# Altium PCB FPGA.PcbDoc (part 1 of 2)
Units mm, origin at the board's own origin, x right, y up, seen from the top; angles counter-clockwise.
Board outline 25.5 x 25.5 mm, 6 copper layers (1 Top (Sig/Pwr), 2 (GND), 3 (Sig/Pwr), 4 (GND/Sig), 5 (GND), 6 Bottom (Sig/Pwr)), stack 1.74 mm thick; 87 components, 94 nets, 547 pads, 156 vias.
Unrouted connection lines stored in the file: 223.
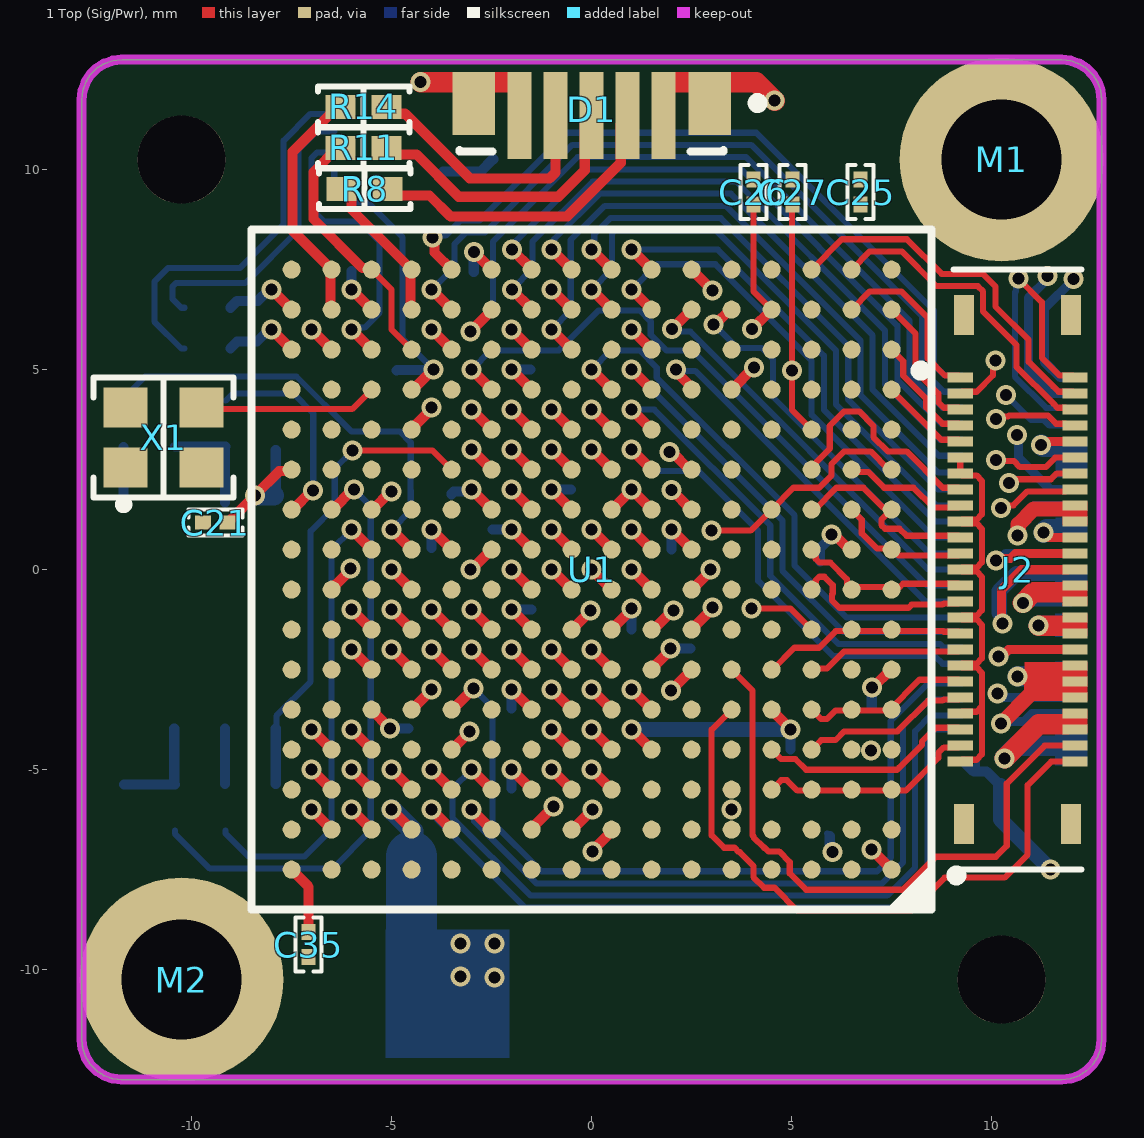
[diagram p0: 1 Top (Sig/Pwr) view]
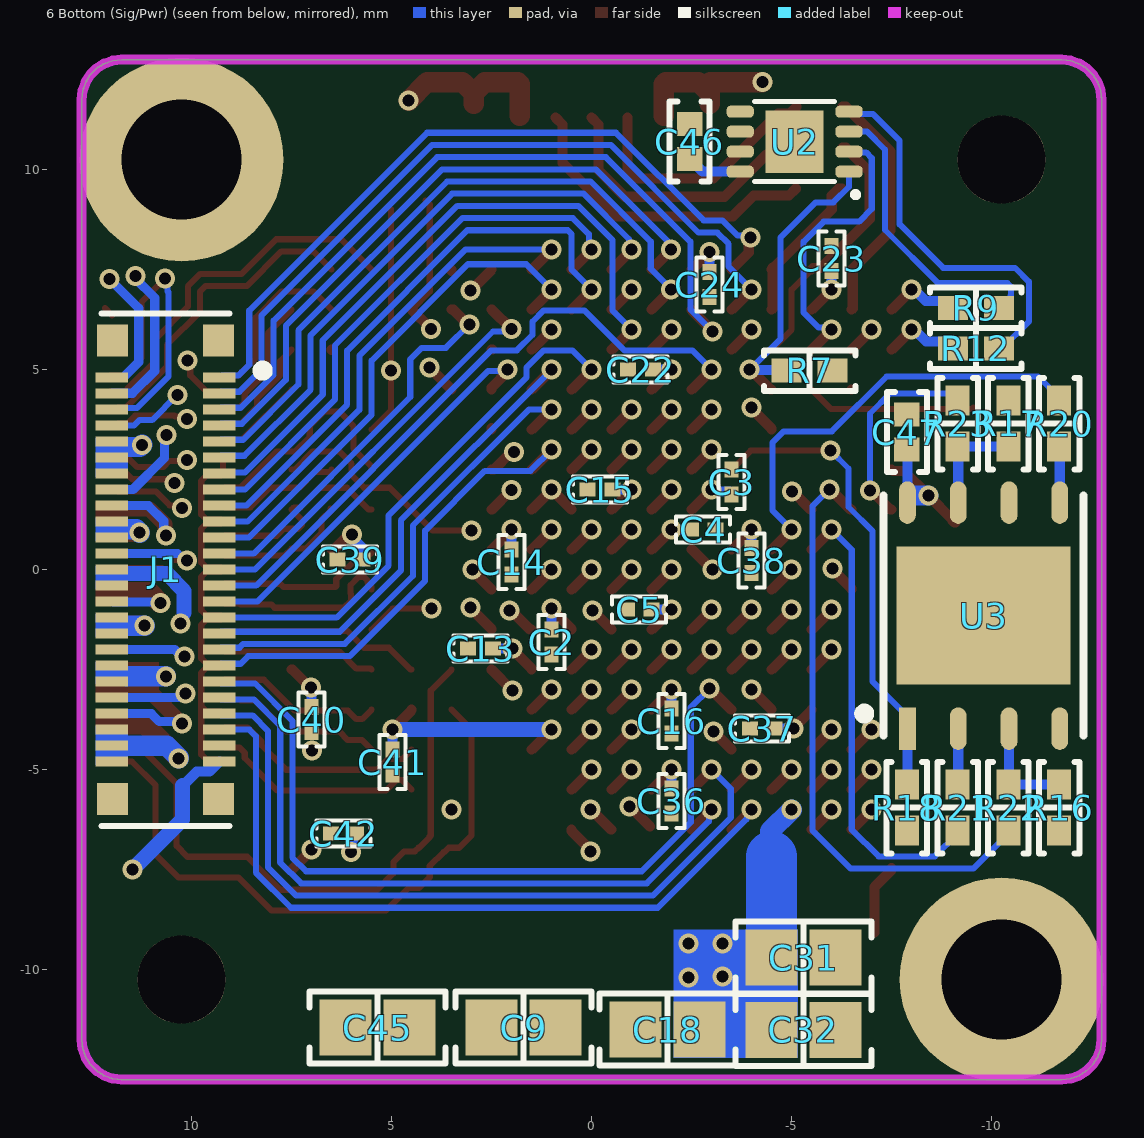
[diagram p1: 6 Bottom (Sig/Pwr) view, seen from below]
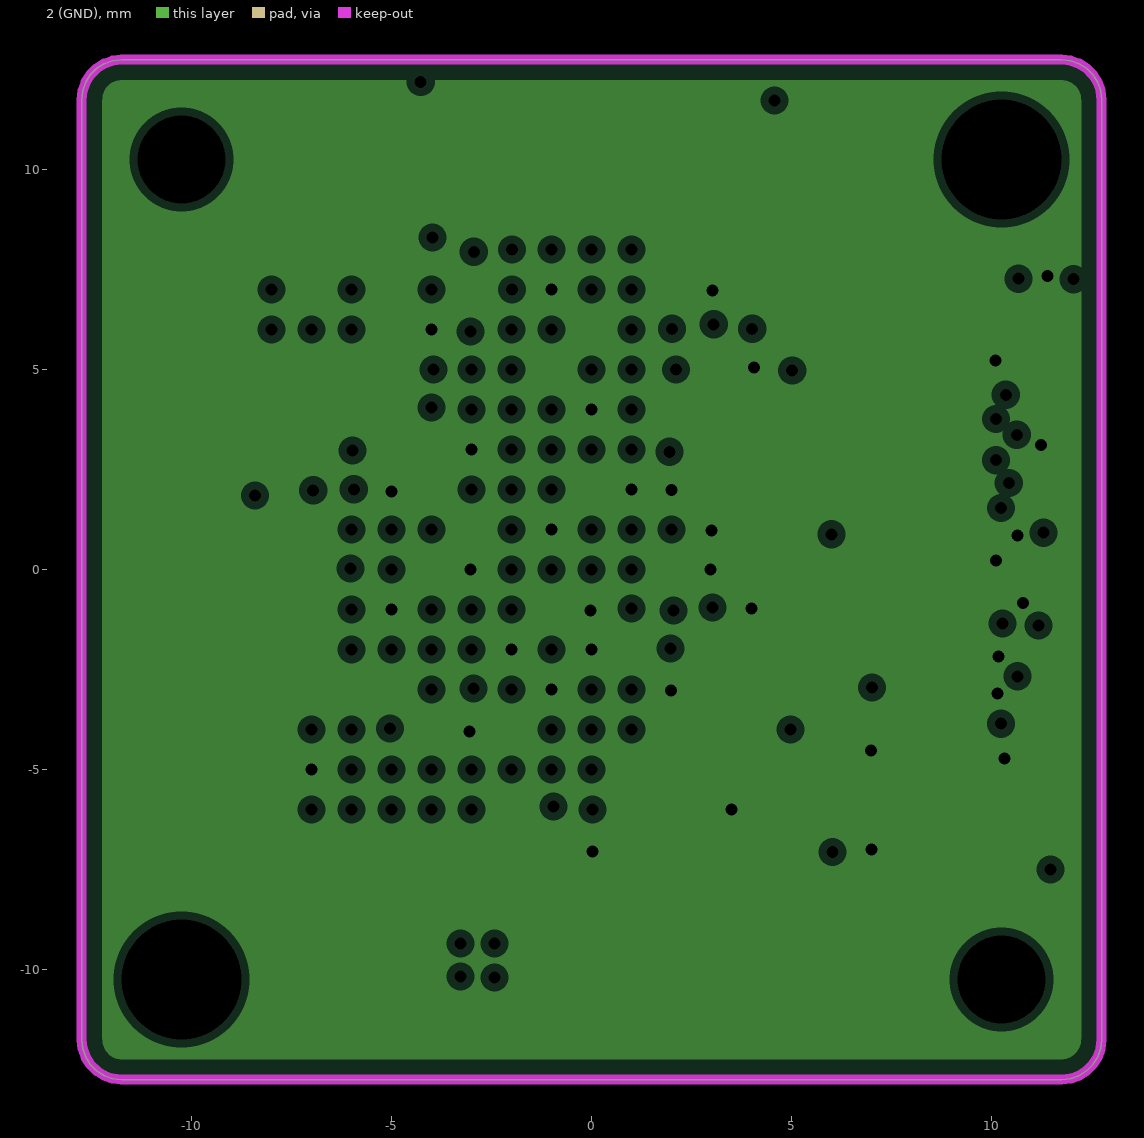
[diagram p2: 2 (GND), clearances drawn from the general rule]
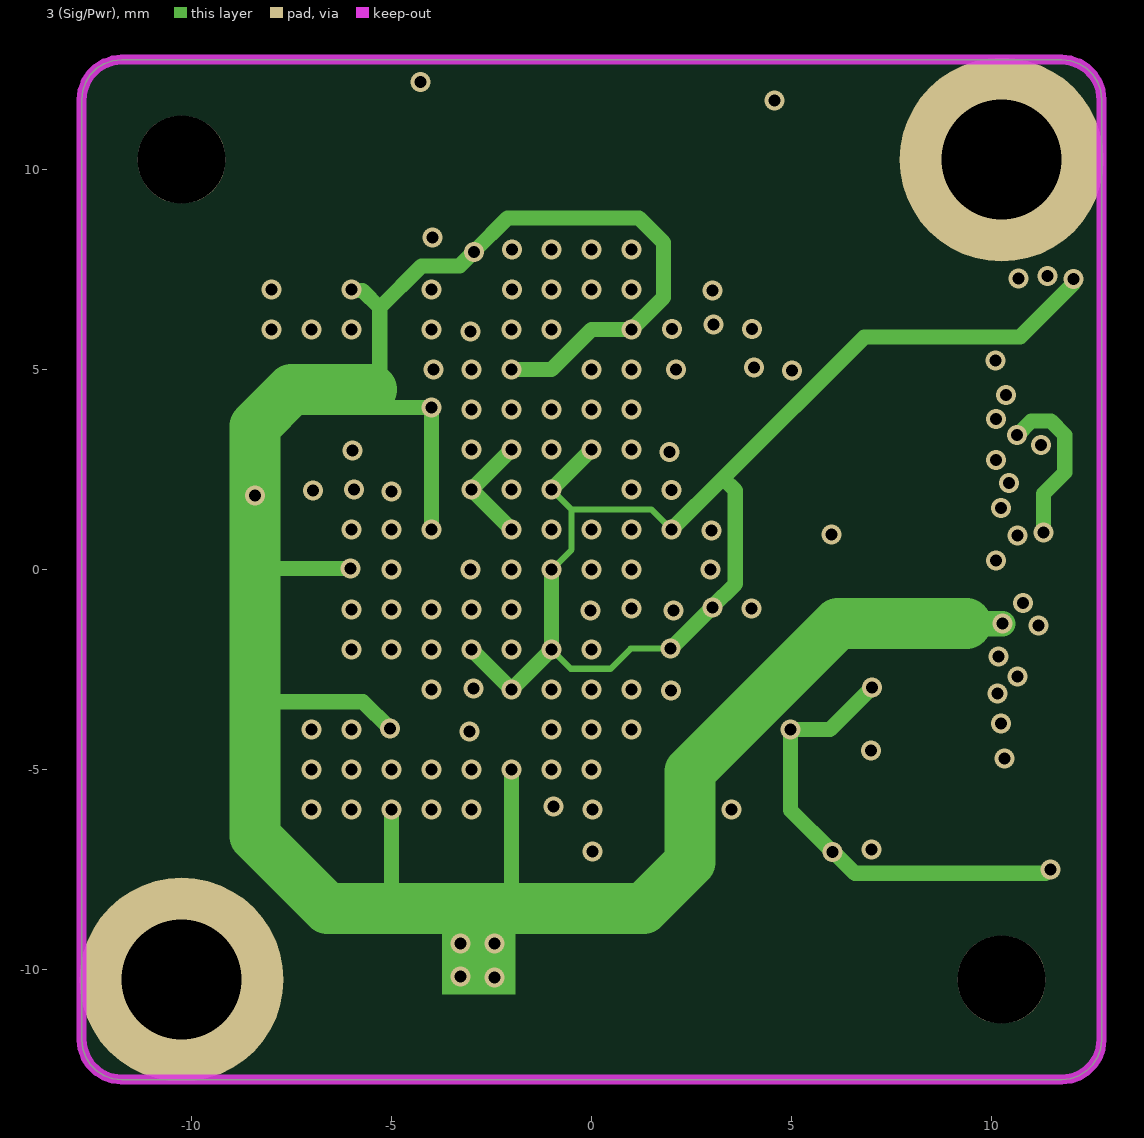
[diagram p3: 3 (Sig/Pwr)]
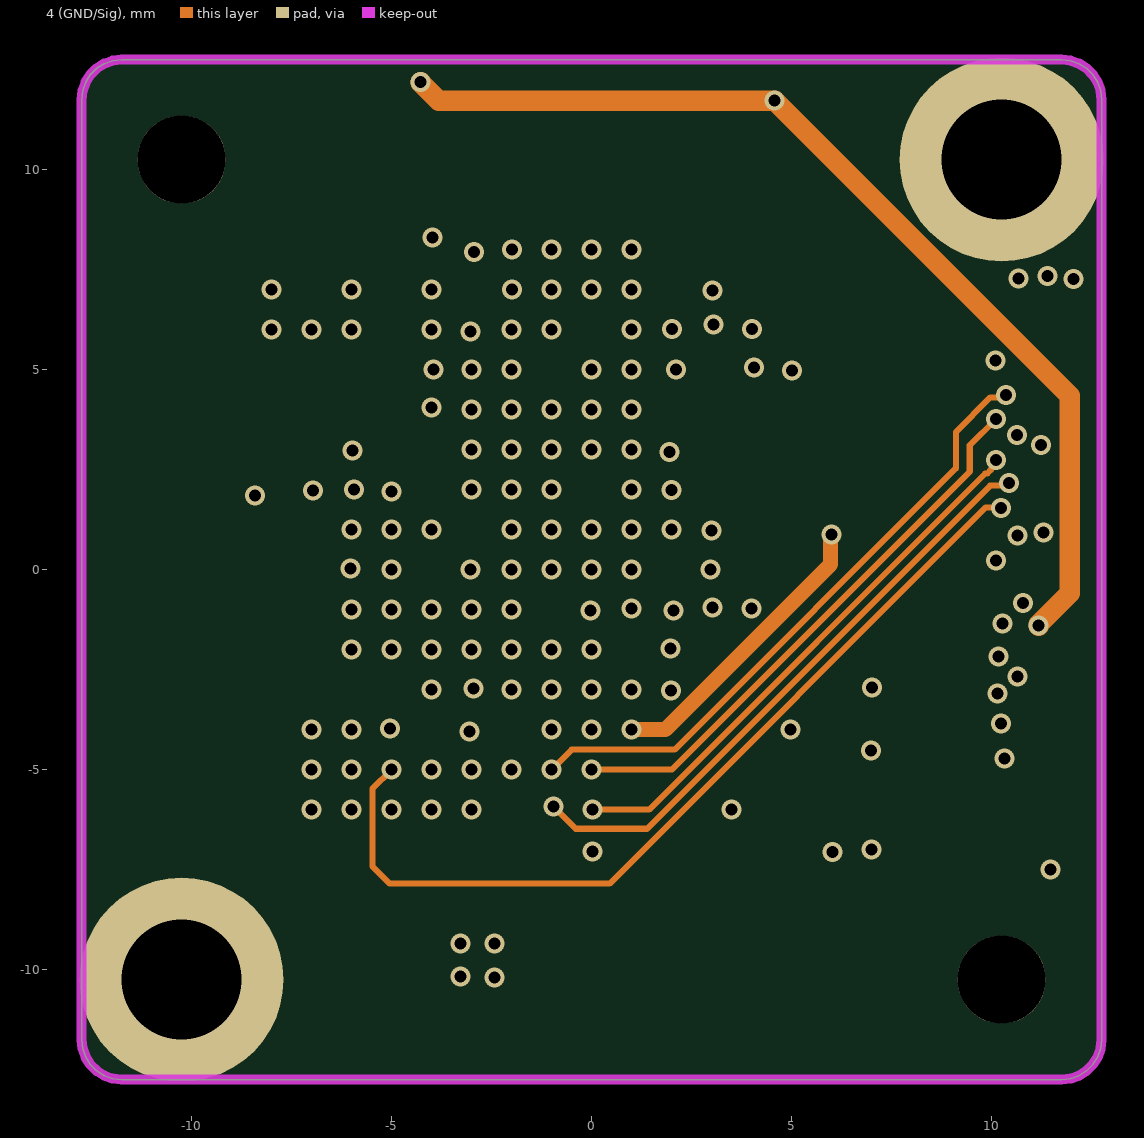
[diagram p4: 4 (GND/Sig)]
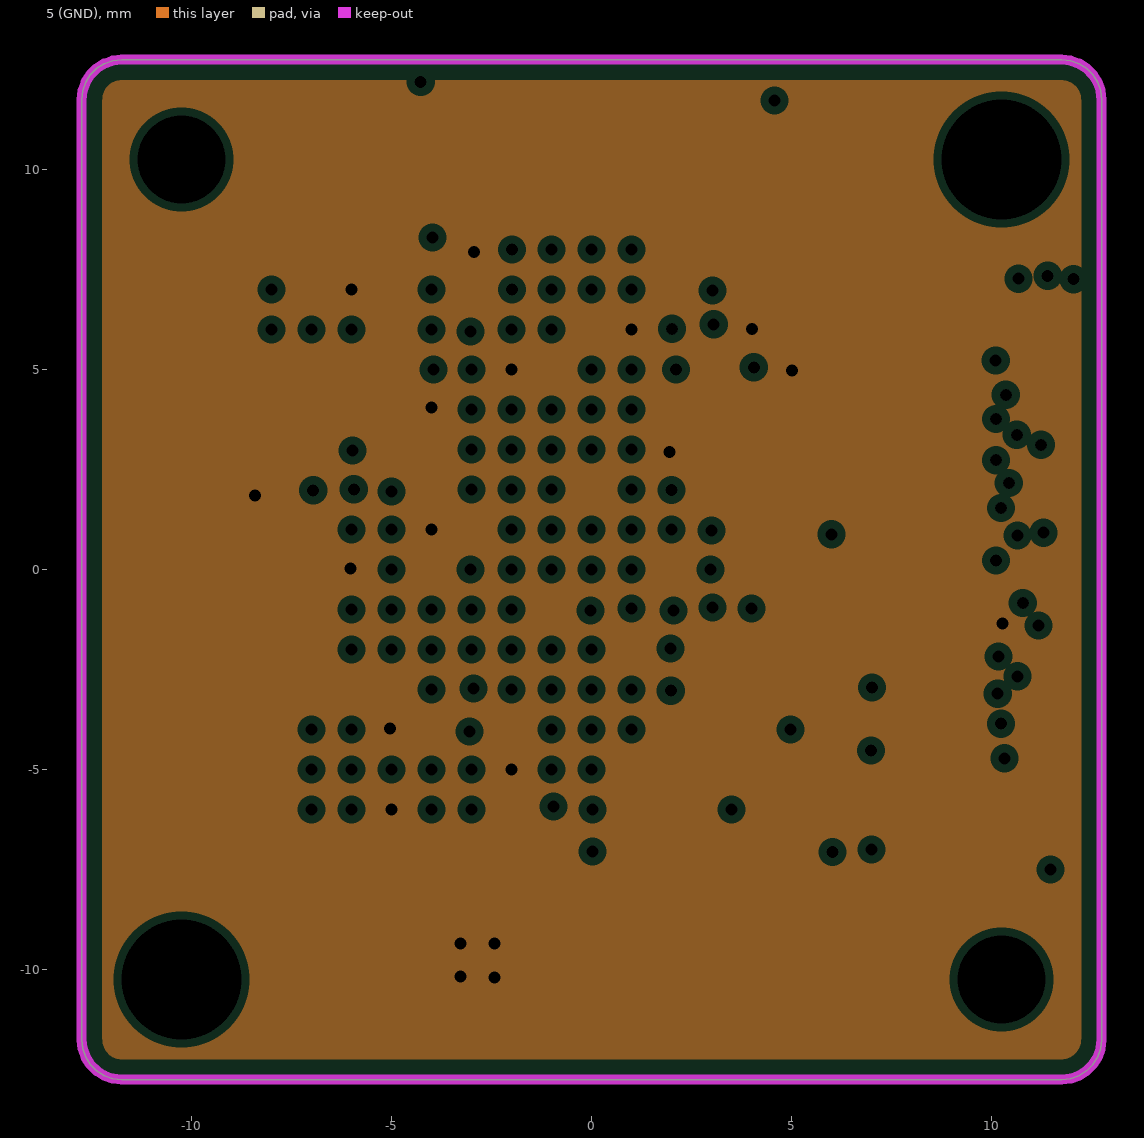
[diagram p5: 5 (GND), clearances drawn from the general rule]

## Layer stack, top to bottom
Top Solder: solder mask 0.0254, SM-001, Dk 4
1 Top (Sig/Pwr): signal copper 0.035
Dielectric 1: prepreg 0.11, PP-015, Dk 4.29
2 (GND): plane copper 0.035, net GND
Dielectric 2: core 0.6, Core-038, Dk 4.6
3 (Sig/Pwr): signal copper 0.035
Dielectric 3: prepreg 0.11, PP-015, Dk 4.29
4 (GND/Sig): signal copper 0.035
Dielectric 4: core 0.6, Core-038, Dk 4.6
5 (GND): plane copper 0.035, net +3.3
Dielectric 5: prepreg 0.11, PP-015, Dk 4.29
6 Bottom (Sig/Pwr): signal copper 0.035
Bottom Solder: solder mask 0.0254, SM-001, Dk 4

## Board outline
-12.75,-11.75 -12.725,-11.973 -12.651,-12.184 -12.532,-12.373 -12.373,-12.532 -12.184,-12.651 -11.973,-12.725 -11.75,-12.75 11.75,-12.75 11.973,-12.725 12.184,-12.651 12.373,-12.532 12.532,-12.373 12.651,-12.184 12.725,-11.973 12.75,-11.75 12.75,11.75 12.725,11.973 12.651,12.184 12.532,12.373 12.373,12.532 12.184,12.651 11.973,12.725 11.75,12.75 -11.75,12.75 -11.973,12.725 -12.184,12.651 -12.373,12.532 -12.532,12.373 -12.651,12.184 -12.725,11.973 -12.75,11.75

## Design rules (kind name [scope] priority, off if disabled: settings)
BoardOutlineClearance BoardOutlineClearance_Polygon [IsPolygon] p1: gap=0.25 ignorepadtopadclearanceinfootprint=FALSE
Clearance [All] p1: gap=0.152 ignorepadtopadclearanceinfootprint=TRUE except(0.254: SMDPad-SMDPad)
DiffPairsRouting DiffPairsRouting_CAM [All] p1: maxlimit=0.4 minlimit=0.127 mostfreqgap=0.37 toplayer_mingap=0.203 toplayer_maxgap=0.389 toplayer_minwidth=0.152 toplayer_maxwidth=0.152 toplayer_prefwidth=0.152 bottomlayer_mingap=0.203 bottomlayer_maxgap=0.389 bottomlayer_minwidth=0.152 bottomlayer_maxwidth=0.152 bottomlayer_prefwidth=0.152 impedanceprofiledriven=TRUE impedanceprofileid={367E0956-4617-40D2-A523-51326FB4A553} impedanceprofilevalue=100.000000 maxuncoupledlength=12.7
FanoutControl Fanout_BGA [IsBGA] p1: bgadir=NW bgaviamode=Centered fanoutstyle=BGA fanoutdirection=Alternating viagrid=0.025 // Fanout_BGA (Default Rule)
HoleSize [All] p1: absolutevalues=TRUE maxlimit=254 minlimit=0.3 maxpercent=80.000 minpercent=20.000
HoleToHoleClearance HoleToHoleClearance_Via [IsVia] p1: gap=0.279 allowstackedmicrovias=TRUE
HoleToHoleClearance [Not IsVia] p2: gap=0.406 allowstackedmicrovias=TRUE
MinimumSolderMaskSliver [All] p1: minsoldermaskwidth=0.102
NetAntennae [Not InNet('ENC')] p1: netantennaetolerance=0
PlaneClearance [All] p1: clearance=0.203
PlaneConnect PlaneConnect_Thru [IsThruPin] p1: planeconnectstyle=Relief reliefexpansion=0.254 reliefentries=4 reliefconductorwidth=0.508 reliefairgap=0.254
PlaneConnect [All] p2: planeconnectstyle=Direct reliefexpansion=0.508 reliefentries=4 reliefconductorwidth=0.254 reliefairgap=0.254
PolygonConnect PolygonConnect_Thru [IsThruPin] p1: connectstyle=Relief reliefconductorwidth=0.508 reliefentries=4 polygonreliefangle="45 Angle" airgapwidth=0.254
PolygonConnect [All] p2: connectstyle=Direct reliefconductorwidth=0.254 reliefentries=4 polygonreliefangle="90 Angle" airgapwidth=0.254
RoutingVias [All] p1: holewidth=0.3 width=0.6 viastyle="Through Hole" minholewidth=0.15 minwidth=0.3 maxholewidth=1 maxwidth=2
SignalStimulus "Schematic Signal Stimulus" [InDifferentialPairClass('CAM_CLKIN')] p1: kind=1 level=1 starttime=0.000 stoptime=1.389n periodtime=2.778n
SignalStimulus "Schematic Signal Stimulus_11" [InDifferentialPairClass('CAM_DOUT0')] p2: kind=1 level=1 starttime=0.000 stoptime=1.389n periodtime=2.778n
SignalStimulus "Schematic Signal Stimulus_10" [InDifferentialPairClass('CAM_DOUT3')] p3: kind=1 level=1 starttime=0.000 stoptime=1.389n periodtime=2.778n
SignalStimulus "Schematic Signal Stimulus_9" [InDifferentialPairClass('CAM_DOUT1')] p4: kind=1 level=1 starttime=0.000 stoptime=1.389n periodtime=2.778n
SignalStimulus "Schematic Signal Stimulus_8" [InDifferentialPairClass('CAM_SYNC')] p5: kind=1 level=1 starttime=0.000 stoptime=1.389n periodtime=2.778n
SignalStimulus "Schematic Signal Stimulus_7" [InDifferentialPairClass('CAM_CLKOUT')] p6: kind=1 level=1 starttime=0.000 stoptime=1.389n periodtime=2.778n
SignalStimulus "Schematic Signal Stimulus_6" [InDifferentialPairClass('CAM_DOUT2')] p7: kind=1 level=1 starttime=0.000 stoptime=1.389n periodtime=2.778n
SilkToSilkClearance [All] p1: silktosilkclearance=0
SilkToSolderMaskClearance [IsPad] p1: minsilkscreentomaskgap=0.1 clearancetoexposedcopper=TRUE
SolderMaskExpansion SolderMaskExpansion_Via [Isvia] p1: expansion=0.051 istentingtop=TRUE
SolderMaskExpansion [Not Isvia] p2: expansion=0.051 istentingtop=FALSE
UnRoutedNet [Not InNet('ENC')] p1:
Width [All] p1: maxlimit=2.54 minlimit=0.152 preferedwidth=0.254
19 further rules are at their usual default settings.

## Classes and differential pairs
differential pair class CAM_CLKOUT: CAM_CLKOUT
differential pair class CAM_CLKIN: CAM_CLKIN
differential pair class CAM_SYNC: CAM_SYNC
differential pair class CAM_DOUT3: CAM_DOUT3
differential pair class CAM_DOUT2: CAM_DOUT2
differential pair class CAM_DOUT1: CAM_DOUT1
differential pair class CAM_DOUT0: CAM_DOUT0
differential pair CAM_CLKOUT: +CAM_CLKOUT_P -CAM_CLKOUT_N
differential pair CAM_CLKIN: +CAM_CLKIN_P -CAM_CLKIN_N
differential pair CAM_SYNC: +CAM_SYNC_P -CAM_SYNC_N
differential pair CAM_DOUT3: +CAM_DOUT3_P -CAM_DOUT3_N
differential pair CAM_DOUT2: +CAM_DOUT1_P -CAM_DOUT1_N
differential pair CAM_DOUT1: +CAM_DOUT2_P -CAM_DOUT2_N
differential pair CAM_DOUT0: +CAM_DOUT0_P -CAM_DOUT0_N

## Components (designator, comment, footprint, x,y, rotation, side; value= is the part's Value field where it differs from the comment)
C1 "10nF" "CAP 0402_1005" 23.495,13.411 r180 bottom value="10000 pF"
C2 "0.47uF" "CAP 0201_0603" 1,-1.81 r90 bottom value="0.47 µF"
C3 "0.47uF" "CAP 0201_0603" -3.5,2.19 r270 bottom value="0.47 µF"
C4 "0.47uF" "CAP 0201_0603" -2.79,1 r0 bottom value="0.47 µF"
C5 "0.47uF" "CAP 0201_0603" -1.19,-1 r180 bottom value="0.47 µF"
C6 "4.7uF" "CAP 0402_1005" 27.686,-3.937 r180 bottom value=4.7µF
C7 "4.7uF" "CAP 0402_1005" 27.649,-5.115 r180 bottom value=4.7µF
C8 "47uF" "CAP 0603_1608" 34.975,24.025 r270 bottom value="47 µF"
C9 "100 µF" "CAP 0805_2012" 1.7,-11.45 r180 bottom
C10 "47uF" "CAP 0603_1608" 35,18.2 r270 bottom value="47 µF"
C11 "4.7uF" "CAP 0402_1005" 26.391,5.283 r180 bottom value=4.7µF
C12 "4.7uF" "CAP 0402_1005" 20.472,-0.457 r90 bottom value=4.7µF
C13 "0.47uF" "CAP 0201_0603" 2.775,-1.975 r0 bottom value="0.47 µF"
C14 "0.47uF" "CAP 0201_0603" 2,0.19 r270 bottom value="0.47 µF"
C15 "0.47uF" "CAP 0201_0603" -0.21,2 r0 bottom value="0.47 µF"
C16 "0.47uF" "CAP 0201_0603" -2,-3.785 r90 bottom value="0.47 µF"
C17 "47uF" "CAP 0603_1608" 34.925,12.369 r90 bottom value="47 µF"
C18 "100 µF" "CAP 0805_2012" -1.9,-11.5 r180 bottom
C19 "4.7uF" "CAP 0402_1005" 24.689,-6.231 r270 bottom value=4.7µF
C20 "4.7uF" "CAP 0402_1005" 23.952,3.7 r90 bottom value=4.7µF
C21 "0.47uF" "CAP 0201_0603" -9.407,1.173 r180 top value="0.47 µF"
C22 "0.47uF" "CAP 0201_0603" -1.225,5 r0 bottom value="0.47 µF"
C23 "0.47uF" "CAP 0201_0603" -6,7.775 r90 bottom value="0.47 µF"
C24 "0.47uF" "CAP 0201_0603" -2.95,7.125 r270 bottom value="0.47 µF"
C25 "0.47uF" "CAP 0201_0603" 6.725,9.44 r270 top value="0.47 µF"
C26 "0.47uF" "CAP 0201_0603" 4.05,9.44 r270 top value="0.47 µF"
C27 "0.47uF" "CAP 0201_0603" 5.025,9.44 r270 top value="0.47 µF"
C29 "4.7uF" "CAP 0402_1005" 22.758,3.7 r90 bottom value=4.7µF
C30 "4.7uF" "CAP 0402_1005" 34.696,6.037 r90 bottom value=4.7µF
C31 "100 µF" "CAP 0805_2012" -5.3,-9.7 r0 bottom
C32 "100 µF" "CAP 0805_2012" -5.292,-11.504 r0 bottom
C33 "4.7uF" "CAP 0402_1005" 31.922,-4.144 r90 bottom value=4.7µF
C34 "4.7uF" "CAP 0402_1005" 29.439,-6.756 r270 bottom value=4.7µF
C35 "0.47uF" "CAP 0201_0603" -7.075,-9.375 r270 top value="0.47 µF"
C36 "0.47uF" "CAP 0201_0603" -2,-5.785 r270 bottom value="0.47 µF"
C37 "0.47uF" "CAP 0201_0603" -4.265,-3.975 r0 bottom value="0.47 µF"
C38 "0.47uF" "CAP 0201_0603" -4,0.225 r270 bottom value="0.47 µF"
C39 "0.47uF" "CAP 0201_0603" 6.04,0.25 r180 bottom value="0.47 µF"
C40 "0.47uF" "CAP 0201_0603" 7,-3.75 r90 bottom value="0.47 µF"
C41 "0.47uF" "CAP 0201_0603" 4.975,-4.81 r90 bottom value="0.47 µF"
C42 "0.47uF" "CAP 0201_0603" 6.2,-6.6 r180 bottom value="0.47 µF"
C43 "4.7uF" "CAP 0402_1005" 26.391,6.452 r180 bottom value=4.7µF
C44 "4.7uF" "CAP 0402_1005" 25.654,13.437 r180 bottom value=4.7µF
C45 "100 µF" "CAP 0805_2012" 5.35,-11.45 r0 bottom
C46 "0.1µF" "CAP 0402_1005" -2.45,10.7 r270 bottom
C47 "0.1µF" "CAP 0402_1005" -7.88,3.439 r270 bottom
C48 "0.1µF" "CAP 0402_1005" 24.816,-1.363 r90 bottom
D1 "MSL0104RGBU1" FP-MSL0104-MFG 0,11.65 r0 top locked
D2 "Red" "LED 0603_1608 RED" -23.663,-2.242 r270 bottom
D3 "Red" "LED 0603_1608 RED" -24.313,1.871 r270 bottom
FB1 "600 Ohms @ 100 MHz" "FER 0603_1608" 34.975,21.225 r270 bottom
FB2 "600 Ohms @ 100 MHz" "FER 0603_1608" 36.6,24.125 r90 bottom
J1 "2049270501" 2049270501 10.65,0 r0 top locked
J2 "2049280501" 2049280501 10.65,0 r0 top locked
M1 "9774010243R" 9774010243R 10.25,10.25 r0 top locked
M2 "9774010243R" 9774010243R -10.25,-10.25 r0 top locked
R1 "1k" "RES 0402_1005" 30.759,-1.769 r270 bottom value="1 kOhms"
R2 "4.7k" "RES 0402_1005" 21.101,-2.112 r180 bottom value="4.7 kOhms"
R3 "4.7k" "RES 0402_1005" 24.2,-3.094 r180 bottom value="4.7 kOhms"
R4 "4.7k" "RES 0402_1005" 31.928,-1.82 r270 bottom value="4.7 kOhms"
R5 "1k" "RES 0402_1005" -24.95,-2.175 r270 bottom
R6 "100" "RES 0402_1005" -26.15,-2.3 r270 bottom value="100 Ohms"
R7 "4.7k" "RES 0402_1005" -5.45,4.975 r180 bottom value="4.7 kOhms"
R8 "84.5" "RES 0402_1005" -5.676,9.52 r0 top
R9 "100" "RES 0402_1005" -9.606,6.546 r0 bottom value="100 Ohms"
R10 "4.7k" "RES 0402_1005" 22.809,-5.588 r180 bottom value="4.7 kOhms"
R11 "145" "RES 0402_1005" -5.701,10.545 r0 top
R12 "100" "RES 0402_1005" -9.606,5.528 r0 bottom value="100 Ohms"
R13 "4.7k" "RES 0402_1005" 27.651,-7.468 r180 bottom value="4.7 kOhms"
R14 "90.9" "RES 0402_1005" -5.701,11.57 r0 top
R15 "4.7k" "RES 0402_1005" 30.734,-4.191 r90 bottom value="4.7 kOhms"
R16 "1.8k" "RES 0402_1005" -11.69,-5.951 r270 bottom value="1.8 kOhms"
R17 "1.8k" "RES 0402_1005" -10.42,3.649 r90 bottom value="1.8 kOhms"
R18 "4.7k" "RES 0402_1005" -7.88,-5.951 r270 bottom value="4.7 kOhms"
R19 "1.8k" "RES 0402_1005" 23.368,9.144 r180 bottom value="1.8 kOhms"
R20 "100" "RES 0402_1005" -11.69,3.649 r90 bottom value="100 Ohms"
R21 "100" "RES 0402_1005" -9.15,-5.951 r90 bottom value="100 Ohms"
R22 "100" "RES 0402_1005" -10.42,-5.951 r270 bottom value="100 Ohms"
R23 "100" "RES 0402_1005" -9.15,3.649 r90 bottom value="100 Ohms"
R24 "1k" "RES 0603_1608" -25.9,1.9 r90 bottom value="1 kOhms"
S1 "" UL 17.551,33.122 r270 bottom
S2 "" RoHS 14.986,34.239 r270 bottom
S3 "" 34EngineeringLogo 8.55,28.6 r90 bottom
U1 "XC7A35T-1FTG256C" FTG256 0,0 r180 top locked
U2 "CAT93C46BHU4I-GT3" CAT93C46BHU4I-GT3 -5.075,10.7 r0 bottom
U3 "W25Q16JVZPIQ" FP-ZP-IPC_B -9.8,-1.15 r90 bottom locked
X1 "SIT8008AI-11-XXE-100.000000" SIT8008AI-11-XXE-100.000000 -10.7,3.302 r0 top locked

## Footprints (in the part's own frame and the unit in brackets; to place one, negate y for a bottom-side part, rotate by r counter-clockwise, add the part's x,y. Pads: shape width x height; smd on the part's side, far side on the other; paste and mask are expansions set on the pad)
34EngineeringLogo [mm]
  silkscreen extent 0.33,0.32 7.61,4.55
2049270501 [mm]
  rect 0.81x0.25 smd far side paste+0 mask+0: 1(-1.345,4.8) 2(-1.345,4.4) 3(-1.345,4) 4(-1.345,3.6) 5(-1.345,3.2) 6(-1.345,2.8) 7(-1.345,2.4) 8(-1.345,2) 9(-1.345,1.6) 10(-1.345,1.2) 11(-1.345,0.8) 12(-1.345,0.4) 13(-1.345,0) 14(-1.345,-0.4) 15(-1.345,-0.8) 16(-1.345,-1.2) 17(-1.345,-1.6) 18(-1.345,-2) 19(-1.345,-2.4) 20(-1.345,-2.8) 21(-1.345,-3.2) 22(-1.345,-3.6) 23(-1.345,-4) 24(-1.345,-4.4) 25(-1.345,-4.8) 26(1.345,-4.8) 27(1.345,-4.4) 28(1.345,-4) 29(1.345,-3.6) 30(1.345,-3.2) 31(1.345,-2.8) 32(1.345,-2.4) 33(1.345,-2) 34(1.345,-1.6) 35(1.345,-1.2) 36(1.345,-0.8) 37(1.345,-0.4) 38(1.345,0) 39(1.345,0.4) 40(1.345,0.8) 41(1.345,1.2) 42(1.345,1.6) 43(1.345,2) 44(1.345,2.4) 45(1.345,2.8) 46(1.345,3.2) 47(1.345,3.6) 48(1.345,4) 49(1.345,4.4) 50(1.345,4.8)
  rect 0.77x0.8 smd far side paste+0 mask+0: MNT(-1.325,-5.73) MNT(-1.325,5.73) MNT(1.325,-5.73) MNT(1.325,5.73)
  body extent -1.59,-6.41 1.59,6.41
2049280501 [mm]
  rect 0.63x0.25 smd paste+0 mask+0: 1(-1.435,4.8) 2(-1.435,4.4) 3(-1.435,4) 4(-1.435,3.6) 5(-1.435,3.2) 6(-1.435,2.8) 7(-1.435,2.4) 8(-1.435,2) 9(-1.435,1.6) 10(-1.435,1.2) 11(-1.435,0.8) 12(-1.435,0.4) 13(-1.435,0) 14(-1.435,-0.4) 15(-1.435,-0.8) 16(-1.435,-1.2) 17(-1.435,-1.6) 18(-1.435,-2) 19(-1.435,-2.4) 20(-1.435,-2.8) 21(-1.435,-3.2) 22(-1.435,-3.6) 23(-1.435,-4) 24(-1.435,-4.4) 25(-1.435,-4.8) 26(1.435,-4.8) 27(1.435,-4.4) 28(1.435,-4) 29(1.435,-3.6) 30(1.435,-3.2) 31(1.435,-2.8) 32(1.435,-2.4) 33(1.435,-2) 34(1.435,-1.6) 35(1.435,-1.2) 36(1.435,-0.8) 37(1.435,-0.4) 38(1.435,0) 39(1.435,0.4) 40(1.435,0.8) 41(1.435,1.2) 42(1.435,1.6) 43(1.435,2) 44(1.435,2.4) 45(1.435,2.8) 46(1.435,3.2) 47(1.435,3.6) 48(1.435,4) 49(1.435,4.4) 50(1.435,4.8)
  rect 0.5x1 smd paste+0 mask+0: MNT(-1.34,-6.36) MNT(-1.34,6.36) MNT(1.34,-6.36) MNT(1.34,6.36)
  silkscreen extent -2.55,-7.5 1.6,7.5, body extent -1.6,-7.5 1.6,7.5, height 2.37
9774010243R [mm]
  round 5.1 hole 3 unplated: 1(0,0)
  body extent -2.17,-2.17 2.17,2.17, height 1
"CAP 0201_0603" [mm] "Chip Capacitor, 2-Leads, Body 0.60x0.30mm, IPC Medium Density"
  rect 0.4x0.35 smd: 1(-0.31,0) 2(0.31,0)
  silkscreen extent -0.68,-0.33 0.67,0.33, body extent -0.3,-0.15 0.3,0.15, height 0.3
"CAP 0402_1005" [mm] "Chip Capacitor, 2-Leads, Body 1.02x0.51mm, IPC Medium Density"
  rect 0.6x0.64 smd: 1(-0.44,0) 2(0.44,0)
  silkscreen extent -1,-0.5 1,0.5, body extent -0.5,-0.26 0.5,0.26, height 0.52
"CAP 0603_1608" [mm] "Chip Capacitor, 2-Leads, Body 1.60x0.80mm, IPC Medium Density"
  rect 0.9x1 smd: 1(-0.675,0) 2(0.675,0)
  silkscreen extent -1.4,-0.7 1.4,0.7, body extent -0.8,-0.41 0.8,0.41, height 0.82
"CAP 0805_2012" [mm] "Chip Capacitor, 2-Leads, Body 2.00x1.20mm, IPC Medium Density"
  rect 1.3x1.4 smd: 1(-0.8,0) 2(0.8,0)
  silkscreen extent -1.7,-0.9 1.7,0.9, body extent -1,-0.64 1,0.64, height 1.26
CAT93C46BHU4I-GT3 [mm]
  rrect70% 0.68x0.3 smd: 1(-1.36,0.75) 2(-1.36,0.25) 3(-1.36,-0.25) 4(-1.36,-0.75) 5(1.36,-0.75) 6(1.36,-0.25) 7(1.36,0.25) 8(1.36,0.75)
  rect 1.45x1.56 smd paste-2: 9(0,0)
  silkscreen extent -1.59,-1 1,1.39, body extent -1.53,-1.02 1.52,1.03, height 0.55
"FER 0603_1608" [mm] "Chip Ferrite, 2-Leads, Body 1.60x0.80mm, IPC Medium Density"
  rect 0.9x1 smd: 1(-0.675,0) 2(0.675,0)
  silkscreen extent -1.4,-0.7 1.4,0.7, body extent -0.8,-0.41 0.8,0.41, height 0.82
FP-MSL0104-MFG [mm]
  rect 1.06x1.58 smd paste+0 mask+0: 1(2.95,0) 7(-2.95,0)
  rect 0.6x2.18 smd paste+0 mask+0: 2(1.8,-0.3) 3(0.9,-0.3) 4(0,-0.3) 5(-0.9,-0.3) 6(-1.8,-0.3)
  silkscreen extent -3.3,-1.2 4.28,0.14, body extent -3.58,-1.49 3.58,1.3, height 0.25
FP-ZP-IPC_B [mm]
  rect 1.061x0.418 smd paste+0 mask+0: 1(-2.826,1.905)
  rrect100% 1.061x0.418 smd paste+0 mask+0: 2(-2.826,0.635) 3(-2.826,-0.635) 4(-2.826,-1.905) 5(2.826,-1.905) 6(2.826,-0.635) 7(2.826,0.635) 8(2.826,1.905)
  rect 3.45x4.35 smd paste-1000 mask+0: 9(0,0)
  silkscreen extent -3,-2.5 3,3.11, body extent -3.01,-2.5 3.01,2.5, height 0.6
FTG256 [mm] "BGA, 256-Balls, Body 17x17mm, Pitch 1mm"
  round 0.45 smd: A1(-7.5,7.5) A2(-6.5,7.5) A3(-5.5,7.5) A4(-4.5,7.5) A5(-3.5,7.5) A6(-2.5,7.5) A7(-1.5,7.5) A8(-0.5,7.5) A9(0.5,7.5) A10(1.5,7.5) A11(2.5,7.5) A12(3.5,7.5) A13(4.5,7.5) A14(5.5,7.5) A15(6.5,7.5) A16(7.5,7.5) B1(-7.5,6.5) B2(-6.5,6.5) B3(-5.5,6.5) B4(-4.5,6.5) B5(-3.5,6.5) B6(-2.5,6.5) B7(-1.5,6.5) B8(-0.5,6.5) B9(0.5,6.5) B10(1.5,6.5) B11(2.5,6.5) B12(3.5,6.5) B13(4.5,6.5) B14(5.5,6.5) B15(6.5,6.5) B16(7.5,6.5) C1(-7.5,5.5) C2(-6.5,5.5) C3(-5.5,5.5) C4(-4.5,5.5) C5(-3.5,5.5) C6(-2.5,5.5) C7(-1.5,5.5) C8(-0.5,5.5) C9(0.5,5.5) C10(1.5,5.5) C11(2.5,5.5) C12(3.5,5.5) C13(4.5,5.5) C14(5.5,5.5) C15(6.5,5.5) C16(7.5,5.5) D1(-7.5,4.5) D2(-6.5,4.5) D3(-5.5,4.5) D4(-4.5,4.5) D5(-3.5,4.5) D6(-2.5,4.5) D7(-1.5,4.5) D8(-0.5,4.5) D9(0.5,4.5) D10(1.5,4.5) D11(2.5,4.5) D12(3.5,4.5) D13(4.5,4.5) D14(5.5,4.5) D15(6.5,4.5) D16(7.5,4.5) E1(-7.5,3.5) E2(-6.5,3.5) E3(-5.5,3.5) E4(-4.5,3.5) E5(-3.5,3.5) E6(-2.5,3.5) E7(-1.5,3.5) E8(-0.5,3.5) E9(0.5,3.5) E10(1.5,3.5) E11(2.5,3.5) E12(3.5,3.5) E13(4.5,3.5) E14(5.5,3.5) E15(6.5,3.5) E16(7.5,3.5) F1(-7.5,2.5) F2(-6.5,2.5) F3(-5.5,2.5) F4(-4.5,2.5) F5(-3.5,2.5) F6(-2.5,2.5) F7(-1.5,2.5) F8(-0.5,2.5) F9(0.5,2.5) F10(1.5,2.5) F11(2.5,2.5) F12(3.5,2.5) F13(4.5,2.5) F14(5.5,2.5) F15(6.5,2.5) F16(7.5,2.5) G1(-7.5,1.5) G2(-6.5,1.5) G3(-5.5,1.5) G4(-4.5,1.5) G5(-3.5,1.5) G6(-2.5,1.5) G7(-1.5,1.5) G8(-0.5,1.5) G9(0.5,1.5) G10(1.5,1.5) G11(2.5,1.5) G12(3.5,1.5) G13(4.5,1.5) G14(5.5,1.5) G15(6.5,1.5) G16(7.5,1.5) H1(-7.5,0.5) H2(-6.5,0.5) H3(-5.5,0.5) H4(-4.5,0.5) H5(-3.5,0.5) H6(-2.5,0.5) H7(-1.5,0.5) H8(-0.5,0.5) H9(0.5,0.5) H10(1.5,0.5) H11(2.5,0.5) H12(3.5,0.5) H13(4.5,0.5) H14(5.5,0.5) H15(6.5,0.5) H16(7.5,0.5) J1(-7.5,-0.5) J2(-6.5,-0.5) J3(-5.5,-0.5) J4(-4.5,-0.5) J5(-3.5,-0.5) J6(-2.5,-0.5) J7(-1.5,-0.5) J8(-0.5,-0.5) J9(0.5,-0.5) J10(1.5,-0.5) J11(2.5,-0.5) J12(3.5,-0.5) J13(4.5,-0.5) J14(5.5,-0.5) J15(6.5,-0.5) J16(7.5,-0.5) K1(-7.5,-1.5) K2(-6.5,-1.5) K3(-5.5,-1.5) K4(-4.5,-1.5) K5(-3.5,-1.5) K6(-2.5,-1.5) K7(-1.5,-1.5) K8(-0.5,-1.5) K9(0.5,-1.5) K10(1.5,-1.5) K11(2.5,-1.5) K12(3.5,-1.5) K13(4.5,-1.5) K14(5.5,-1.5) K15(6.5,-1.5) K16(7.5,-1.5) L1(-7.5,-2.5) L2(-6.5,-2.5) L3(-5.5,-2.5) L4(-4.5,-2.5) L5(-3.5,-2.5) L6(-2.5,-2.5) L7(-1.5,-2.5) L8(-0.5,-2.5) L9(0.5,-2.5) L10(1.5,-2.5) L11(2.5,-2.5) L12(3.5,-2.5) L13(4.5,-2.5) L14(5.5,-2.5) L15(6.5,-2.5) L16(7.5,-2.5) M1(-7.5,-3.5) M2(-6.5,-3.5) M3(-5.5,-3.5) M4(-4.5,-3.5) M5(-3.5,-3.5) M6(-2.5,-3.5) M7(-1.5,-3.5) M8(-0.5,-3.5) M9(0.5,-3.5) M10(1.5,-3.5) M11(2.5,-3.5) M12(3.5,-3.5) M13(4.5,-3.5) M14(5.5,-3.5) M15(6.5,-3.5) M16(7.5,-3.5) N1(-7.5,-4.5) N2(-6.5,-4.5) N3(-5.5,-4.5) N4(-4.5,-4.5) N5(-3.5,-4.5) N6(-2.5,-4.5) N7(-1.5,-4.5) N8(-0.5,-4.5) N9(0.5,-4.5) N10(1.5,-4.5) N11(2.5,-4.5) N12(3.5,-4.5) N13(4.5,-4.5) N14(5.5,-4.5) N15(6.5,-4.5) N16(7.5,-4.5) P1(-7.5,-5.5) P2(-6.5,-5.5) P3(-5.5,-5.5) P4(-4.5,-5.5) P5(-3.5,-5.5) P6(-2.5,-5.5) P7(-1.5,-5.5) P8(-0.5,-5.5) P9(0.5,-5.5) P10(1.5,-5.5) P11(2.5,-5.5) P12(3.5,-5.5) P13(4.5,-5.5) P14(5.5,-5.5) P15(6.5,-5.5) P16(7.5,-5.5) R1(-7.5,-6.5) R2(-6.5,-6.5) R3(-5.5,-6.5) R4(-4.5,-6.5) R5(-3.5,-6.5) R6(-2.5,-6.5) R7(-1.5,-6.5) R8(-0.5,-6.5) R9(0.5,-6.5) R10(1.5,-6.5) R11(2.5,-6.5) R12(3.5,-6.5) R13(4.5,-6.5) R14(5.5,-6.5) R15(6.5,-6.5) R16(7.5,-6.5) T1(-7.5,-7.5) T2(-6.5,-7.5) T3(-5.5,-7.5) T4(-4.5,-7.5) T5(-3.5,-7.5) T6(-2.5,-7.5) T7(-1.5,-7.5) T8(-0.5,-7.5) T9(0.5,-7.5) T10(1.5,-7.5) T11(2.5,-7.5) T12(3.5,-7.5) T13(4.5,-7.5) T14(5.5,-7.5) T15(6.5,-7.5) T16(7.5,-7.5)